# KiCad board raven.kicad_pcb (continued)
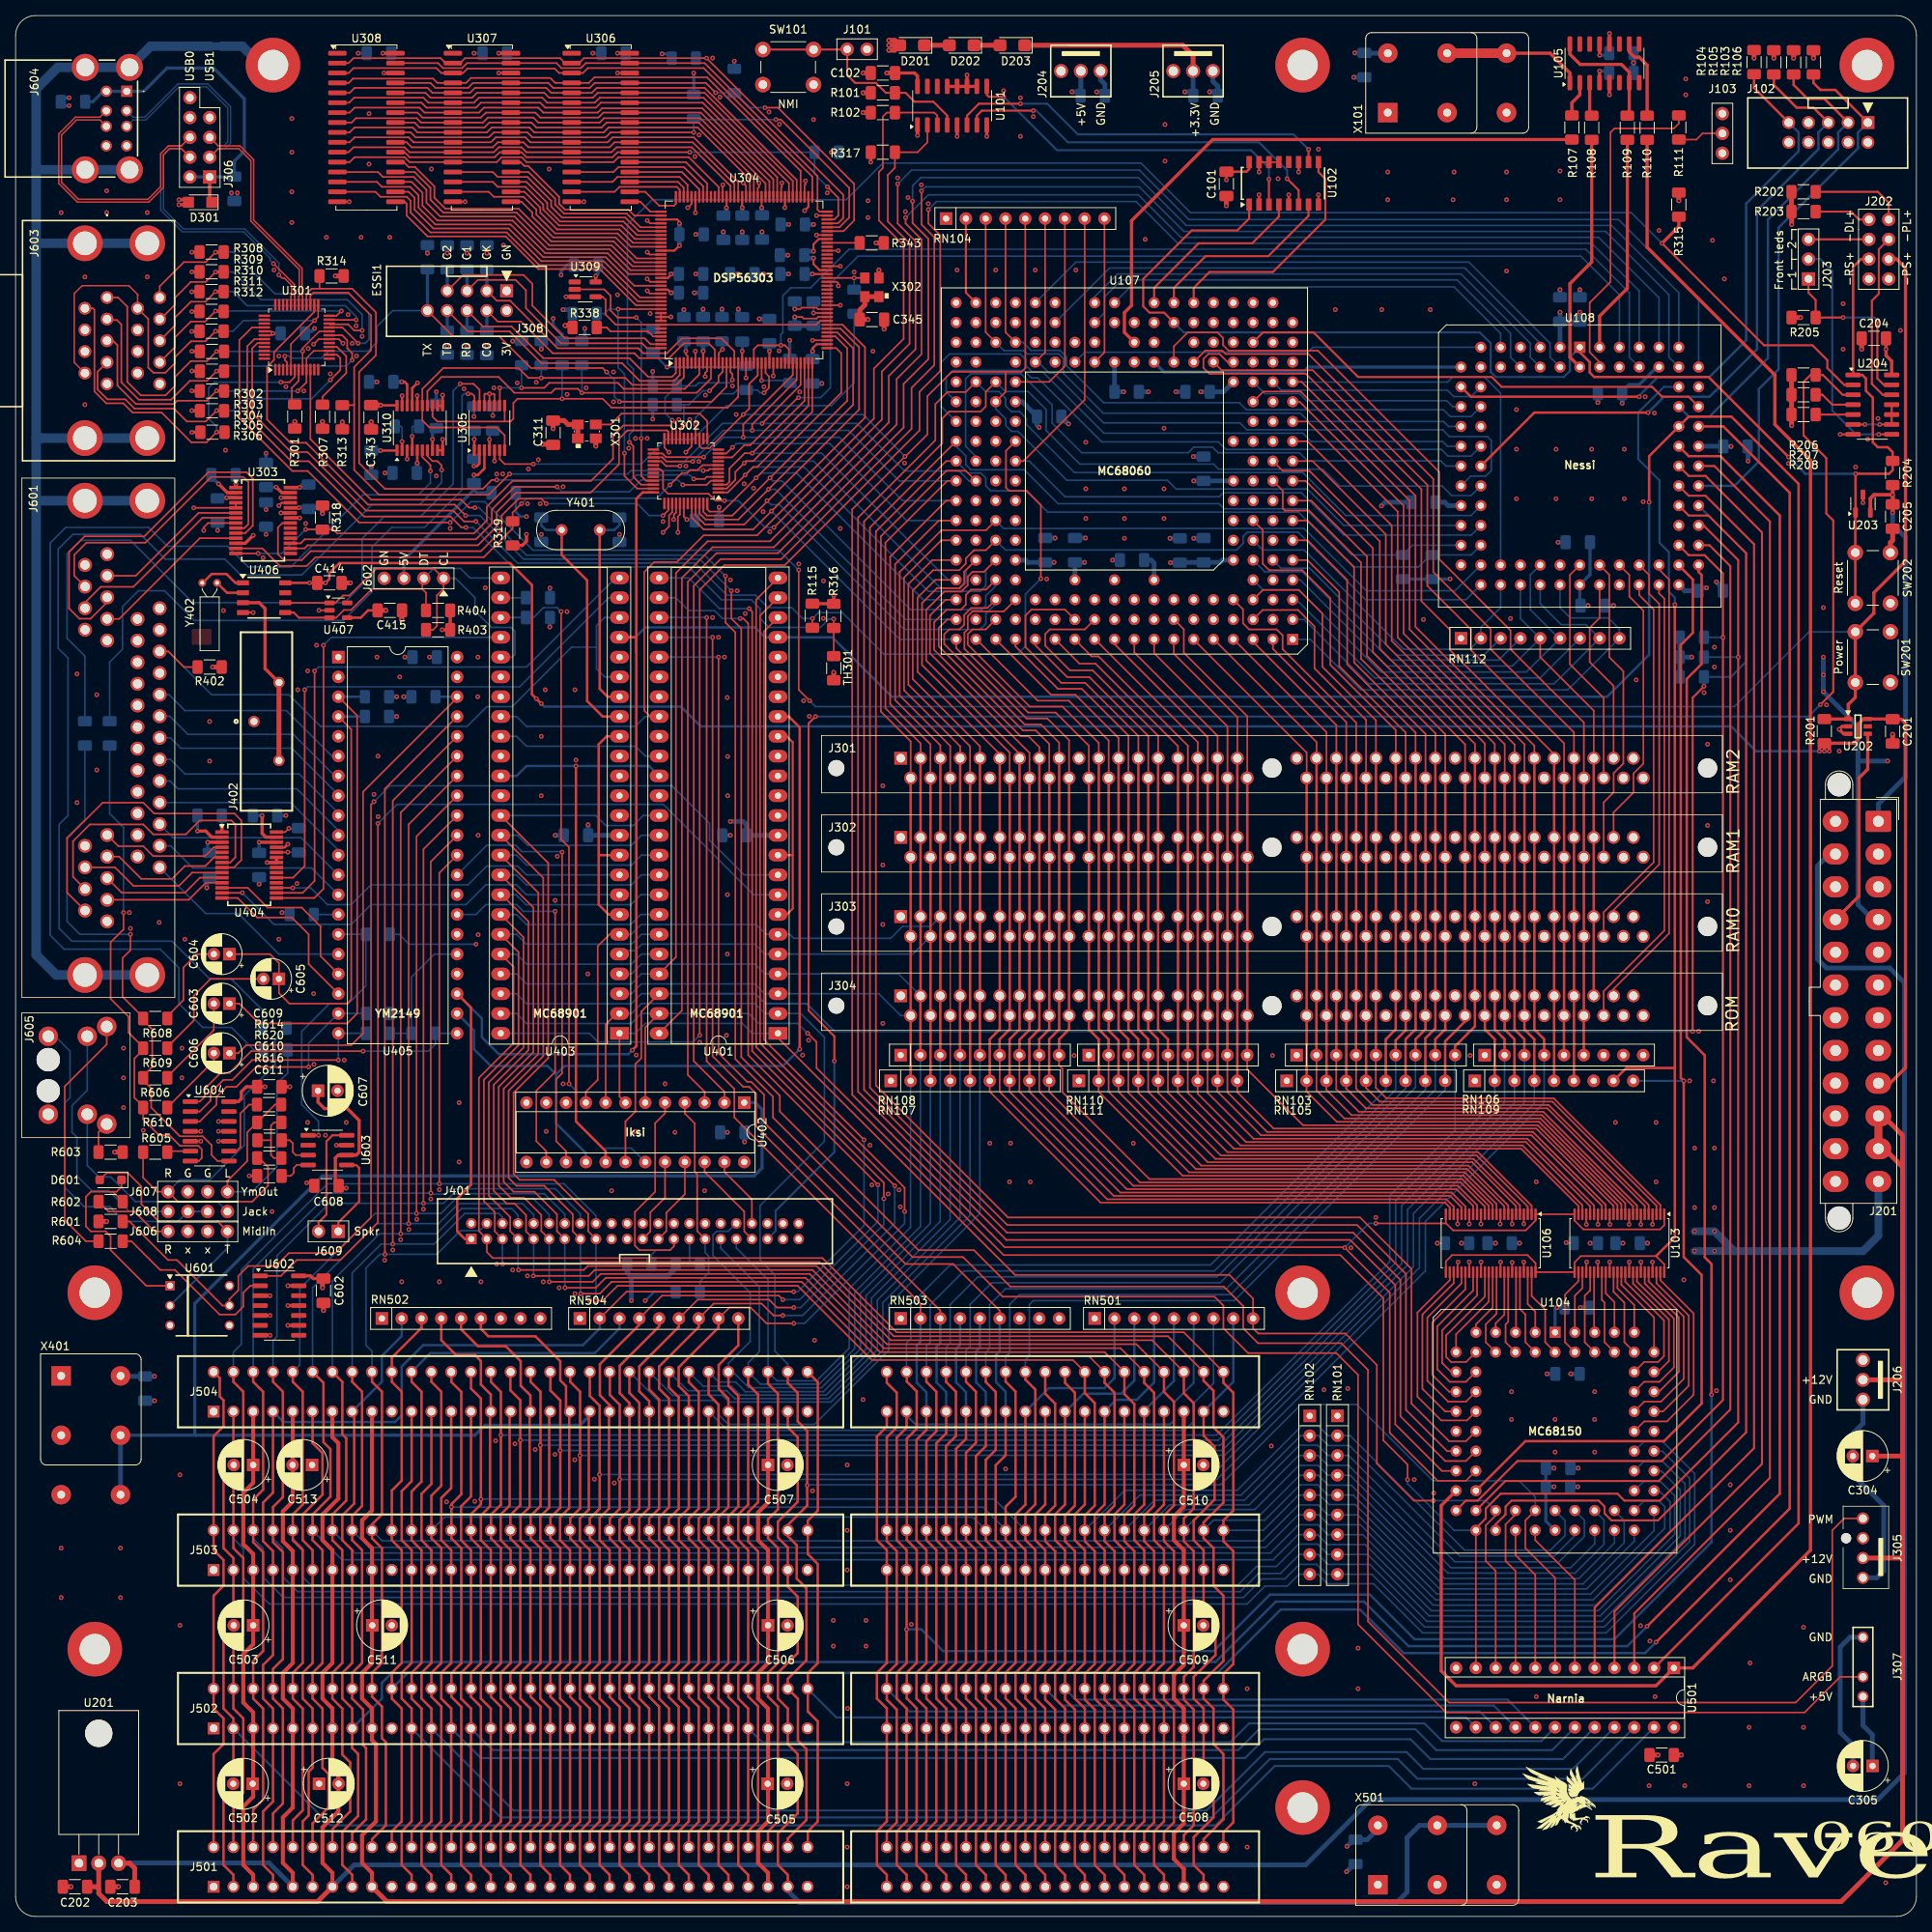
[diagram p0: board, top side]
## Routing (per net, layer and track width the routed paths; a pad name or vN(x,y) marks a point on that pad's centre or on a via; arc(x,y) is an arc through that point) (continued)
+5VL: length 284.3
  Top w0.305: v1(39.75,171.07) 40.26,171.58 40.26,172.34 41.53,173.61 63.42,173.61 66.24,170.79 66.24,156.77 v1(66.8,156.21) v1(67.44,155.58) ; 34.59,171.07 v1(37.72,171.07) C414.2
  Top w0.406: R201.2 235.84,150.5 236.35,151 236.35,152.92 237.04,153.6 U202.6 240.77,153.6 ; R201.2 232.66,149.86 v1(232.66,149.48) ; R201.2 v1(232.03,149.48) ; R201.2 231.39,149.86 v1(231.39,149.48) ; C414.2 v1(39.75,171.07) ; 240.45,106.88 242.44,108.87 242.44,153.04 241.9,153.58 C201.1
  Bottom w0.305: v1(66.8,156.21) 67.82,155.19 85.34,155.19 87.88,152.65 220.09,152.65 223.27,149.48 v1(231.39,149.48)
  Bottom w0.406: v1(37.72,171.07) C414.2 v1(39.75,171.07) ; v1(231.39,149.48) v1(232.03,149.48) v1(232.66,149.48)
+12V: length 380.5
  Top w0.508: J501.9 45.72,5.59 44.45,6.86 44.45,10.41 46.23,12.19 46.23,22.1 45.72,22.61 J502.9 45.72,26.67 44.45,27.94 44.45,31.24 45.72,32.51 J503.9 45.72,47.24 44.45,48.51 44.45,50.8 45.72,52.07 J504.9
  Top w0.61: J501.9 47.62,1.91 234.19,1.91 242.06,9.78 242.06,45.97 ; 242.06,68.83 242.06,96.14 ; 242.06,68.83 242.06,59.18 ; 242.06,68.83 J206.2 ; 242.06,96.14 242.06,100.2 239.59,102.68 ; 242.06,96.14 239.72,98.48 ; 242.06,59.18 241.93,59.06 C304.1 ; 242.06,59.18 242.06,45.97 ; J305.3 242.06,45.97
  Top w1.016: J201.10 J201.11
-5V: length 92.4
  Top w0.508: J504.5 35.56,53.24 34.29,51.97 34.29,48.13 35.56,46.86 J503.5 35.56,32.51 34.29,31.24 34.29,27.94 35.56,26.67 J502.5 35.56,13.97 34.29,12.7 34.29,6.86 35.56,5.59 J501.5
  Top w0.61: U201.3 14.64,6.83 15.28,6.18 C203.1
  Bottom w0.61: 13.24,6.86 32.51,6.86 J501.5
-12V: length 437.7
  Top w0.508: J504.7 40.64,61.47 41.4,60.71 41.4,53.59 39.37,51.56 39.37,48.26 40.64,46.99 J503.7 40.64,32.51 39.37,31.24 39.37,27.94 40.64,26.67 J502.7 40.64,19.81 41.4,19.05 41.4,13.46 39.37,11.43 39.37,6.86 40.64,5.59 J501.7
  Top w0.61: 10.67,3.56 10.67,2.96 11.72,1.91 38.74,1.91 J501.7 ; 10.67,3.56 U201.2 ; 10.67,3.56 10.41,3.81 C202.1
  Bottom w0.61: J501.7 43.43,6.6 165.48,6.6 173.86,14.99 238.89,14.99 242.32,18.42 242.32,119.76 240.41,121.67 232.28,121.67 231.14,122.81 231.14,134.75 232.67,136.28
GND: length 365.7
  Top w0.203: v1(81.03,208.53) 81.37,208.19 U304.130 ; U302.24 83.23,188.42 v1(83.82,187.83) ; v1(24.13,177.8) 24.13,178.18 24.69,178.75 28.25,178.75 ; v1(84.96,177.55) 84.96,179.58 85.22,179.83 85.22,181.25 ; v1(187.99,83.95) 187.98,83.94 U106.34 ; v1(105.54,213.69) U304.62 ; U103.10 206.99,88.78 v1(206.98,88.77) ; v1(93.7,197.36) U304.19 ; 93.7,220.6 93.7,222.02 v1(93.34,222.38) ; U305.10 61.44,195.23 61.34,195.33 v1(60.79,195.33) ; U304.112 81.39,217.19 v1(81.03,217.55) ; 41.28,219.96 v1(42.8,219.96) ; U307.16 v1(57.66,219.96) ; v1(204.5,83.95) 204.49,83.94 U103.34 ; v1(38.91,167.54) 38.93,167.55 U407.2 ; 98.2,220.6 98.2,221.77 98.3,221.87 v1(98.3,222.38) ; U302.40 84.73,180.11 84.46,179.83 84.46,179.24 v1(84.41,179.2) ; U302.17 86.73,188.58 v1(85.98,187.83) ; U106.28 184.98,83.89 v1(185.04,83.95) ; v1(81.03,210.06) 81.4,209.69 U304.127 ; v1(201.55,83.95) 201.49,83.89 U103.28 ; U102.13 U102.14 U102.15 ; 95.2,220.6 95.2,221.69 95.38,221.87 95.38,222.36 v1(95.37,222.37) ; v1(22.86,180.7) U303.5 U303.4 ; v1(105.79,211.69) U304.58 ; v1(209.98,88.77) 209.99,88.78 U103.4 ; 71.34,219.96 v1(72.9,219.96) ; v1(201.5,88.77) 201.49,88.78 U103.21 ; U304.9 88.7,198.24 88.46,197.99 v1(88.46,197.55) ; v1(60.79,195.33) U305.11 ; v1(60.79,195.33) 60.2,195.33 60.14,195.27 U305.12 ; v1(102.74,218.19) U304.71 ; 90.7,220.6 90.7,221.98 90.73,222 v1(90.73,222.12) ; v1(105.54,209.17) 105.54,209.51 105.36,209.69 U304.54 ; v1(207.01,83.95) 206.99,83.93 U103.39 ; v1(38.23,201.68) 38.89,202.33 U301.18 41.46,202.33 v1(41.99,201.8) ; v1(102.23,202.18) 102.24,202.19 U304.39 ; U103.15 204.49,88.8 v1(204.52,88.77) ; U304.47 102.93,206.19 102.74,206.38 100.84,206.38 100.66,206.2 v1(99.95,206.2) ; U203.3 v1(236.98,181.36) ; v1(193.47,83.95) 193.48,83.94 U106.45 ; U103.45 209.99,83.94 v1(209.98,83.95) ; U310.12 U310.11 ; v1(193.48,88.84) U106.4 ; v1(190.45,88.82) 190.48,88.85 U106.10 ; U304.120 81.33,213.19 v1(81.03,213.49) ; v1(101.32,222.63) 101.32,222.19 101.2,222.07 101.2,220.6 ; v1(102.74,215.69) U304.66 ; U106.21 184.98,88.83 v1(184.99,88.82) ; v1(187.98,88.82) U106.15 ; v1(190.5,83.95) 190.48,83.93 U106.39 ; v1(97.2,197.61) U304.26 ; v1(105.79,206.69) U304.48 ; v1(86.23,219.2) 86.7,219.67 86.7,220.6
  Top w0.254: v1(33.78,180.98) 33.9,181.09 33.9,181.1 34.14,181.35 U303.25 ; 235.72,190.12 v1(234.06,190.12) ; U604.5 v1(23.75,99.44) ; U406.4 v1(30.48,167.26) ; C611.2 v1(29.97,95) ; U102.15 v1(159.51,223.77) ; U604.4 v1(23.75,100.71) ; U604.10 v1(26.03,99.44) ; v1(167.13,220.85) U102.8
  Top w0.305: v1(58.8,186.06) 59.18,186.06 59.49,186.36 U305.2 ; v1(49.57,195.08) 49.58,195.07 U310.19 ; U310.9 U310.10 v1(54.78,189.48) ; v1(163.32,220.85) U102.5 ; v1(204.47,233.68) 204.46,233.69 ; v1(54.78,195.16) U310.11 ; v1(34.92,137.54) 34.53,137.15 U404.25 ; U310.3 v1(50.23,186.95) ; v1(61.44,186.69) U305.5 ; U310.16 v1(51.53,195.08)
  Top w0.406: 36.32,75.82 v1(34.92,75.82) ; U602.3 v1(32.64,79.63) ; v1(30.48,177.17) 29.46,176.15 U303.12 ; v1(37.34,94.11) 37.93,94.11 ; U309.3 v1(70.61,207.77) ; U602.7 v1(32.64,74.55) ; U602.11 v1(34.92,78.36) ; C609.2 v1(35.18,106.43) ; U202.2 234.31,152.65 v1(233.93,152.27) 234.5,151.7 U202.3 ; U101.5 v1(120.78,228.35) ; 204.46,233.69 U105.5 ; U105.12 v1(204.46,241.55) ; U101.8 v1(124.59,228.35) ; U602.13 v1(34.92,80.9) ; U602.5 v1(32.64,77.09) ; U603.7 v1(41.15,98.93)
  Top w0.61: v1(49.53,166.32) 49.53,167.5 ; v1(74.43,188.61) 74.43,189.61 ; v1(236.82,201.04) C204.2 ; C343.2 45.59,191.69 v1(45.63,191.73) ; C101.2 v1(155.32,219.46) ; C201.2 v1(240.79,151.64) ; C102.2 v1(108.71,236.47) ; TH301.2 v1(104.95,159.59) ; SW202.2 240.5,176.24 240.79,176.53 C205.2 ; v1(111.42,203.62) C345.2 ; C203.2 v1(13.21,3.81) ; C501.2 v1(210.69,20.7) ; v1(67.56,188.85) 68.88,188.85 ; v1(39.5,77.72) C602.2 ; C414.1 v1(42.95,171.07) ; C202.2 v1(7.11,3.81) ; X302.2 v1(110.74,211.2)
  Bottom w0.203: v1(59.05,124.71) 50.48,124.71 49.21,125.98 R621.2
  Bottom w0.305: v1(80.77,78.99) 81.91,80.14 R407.2 ; v1(67.44,177.29) C401.1 ; C337.1 v1(58.8,192.41) ; C331.1 v1(58.8,186.06) ; v1(65.53,179.58) 64.77,179.58 64.17,180.17 C332.1 ; C330.1 v1(61.21,192.53) ; v1(77.47,177.29) C402.1
  Bottom w0.406: v1(38.35,203.71) 37.97,203.33 37.38,203.33 ; v1(27.69,221.11) 27.69,220.43 ; C327.1 v1(74.04,239.01) ; R333.1 73.03,202.46 v1(73.03,203.71) ; v1(6.86,233.3) 6.31,233.3 C601.2 6.31,232.28 v1(6.86,232.28) ; R331.1 70.1,202.95 68.96,204.09 v1(68.96,204.98) ; v1(90.25,180.77) C303.2 ; v1(28.45,221.11) 28.45,220.43 ; v1(82.93,238.93) 83.62,238.93 R344.2 ; C329.1 v1(43.94,239.01) ; C410.2 v1(34.67,141.22) ; C328.1 v1(58.8,239.01) ; C306.2 v1(32.13,177.29) ; C335.2 70.74,211.84 69.98,211.07 v1(69.98,210.57) ; 34.92,128.78 v1(34.16,128.78) ; C341.2 v1(53.98,195.58) ; v1(81.74,198.2) R336.1
  Bottom w0.457: v1(25.91,177.8) C310.2 ; C308.2 v1(32.13,187.71)
  Bottom w0.61: 235.69,19.3 235.69,22 234.06,23.62 234.06,34.54 235.33,35.81 J307.4 ; v1(222.25,186.69) 222.25,188.51 ; v1(17.82,66.15) C403.1 ; C105.1 v1(199.49,69.6) ; C412.2 24.52,132.94 v1(24.52,131.94) ; R324.1 v1(60.45,201.42) ; v1(153.16,234.06) 153.71,234.06 C207.2 154.22,234.78 153.59,235.41 J205.3 ; v1(103.43,196.65) C317.1 ; v1(99.06,213.11) C321.1 ; v1(63.75,202.08) R332.1 ; v1(90.78,216.1) 90.81,216.08 C319.1 ; J305.4 238.76,43.43 239.65,44.32 239.65,52.71 235.69,56.67 C304.2 235.69,61.95 236.98,63.25 J206.3 ; C120.1 v1(200.66,208.69) ; v1(87.25,210.69) C312.1 ; 199.86,86.44 v1(198.91,86.44) ; v1(99.19,210.69) C314.1 ; 207.56,238.72 v1(207.56,237.79) C112.1 ; v1(171.67,235.93) C110.1 ; v1(99.95,206.2) C326.1 ; C325.1 v1(95.97,210.69) ; C318.1 v1(87.25,215.77) ; C103.2 v1(200.74,78.11) ; C316.1 v1(87.07,208.28) ; v1(91.31,100.58) C404.2 ; C115.1 175.67,181.41 v1(175.21,180.95) ; C346.1 47.38,185.17 v1(47.37,185.17) ; v1(137.25,176.82) C129.1 ; R325.1 v1(57.91,201.42) ; C118.1 v1(198.12,208.69) ; R612.2 v1(48.9,153.92) ; C315.1 92.71,205.65 v1(92.71,206.2) ; C324.1 v1(95.76,216.1) ; C130.1 v1(148.08,176.78) ; v1(138.68,234.06) 139.23,234.06 C206.2 139.74,235.04 139.19,235.59 J204.3 ; R321.1 v1(60.45,213.36) ; C313.1 v1(93.22,216.1) ; C322.1 95.4,204.93 v1(95.4,204.93) ; R329.1 v1(85.72,206.12) ; v1(31.24,132.41) C407.2 ; C119.1 v1(205,168.15) ; v1(133.35,176.82) C125.1 ; C121.1 v1(197.87,176.28) ; v1(151.13,176.78) 152.36,176.78 ; v1(202.97,194.21) C117.1 ; v1(90.62,206.19) R328.1 ; R322.1 v1(57.91,213.36) ; C126.1 v1(145.33,195.58) ; v1(45.63,191.73) C340.2 ; v1(45.63,186.02) C342.2 ; C320.1 v1(102.36,217.04) ; C414.1 v1(42.95,171.07) ; R613.2 v1(48.9,156.46) ; 171.72,6.72 v1(170.74,5.74) ; C104.2 v1(200.41,55.12) ; C127.1 v1(140.72,173.99) ; R326.1 v1(55.37,201.42) ; 205.28,86.36 v1(206.2,86.36) ; 188.94,86.36 v1(189.86,86.36) ; v1(135.06,191.45) 134.15,192.37 ; v1(46.35,196.85) 46.35,196.86 C347.2 ; R323.1 v1(55.37,213.36) ; C408.2 v1(49.94,161.54) ; R330.1 v1(67.44,201.04) ; 183.36,86.36 v1(182.37,86.36) ; v1(88.19,206.2) C323.1 ; v1(151.08,187.28) C128.1 ; R611.2 v1(49.78,156.46) ; C122.1 v1(148.84,195.58) ; C405.1 v1(91.69,138.68) ; v1(218.19,171.2) 219.03,170.36 ; C406.1 v1(69.22,138.68) ; C106.1 v1(200.46,57.51)
  Bottom w1.219: 31.5,237.49 29.08,239.9 NT601.1
  vias: v1(5.84,218.57) v1(5.84,47.24) v1(5.84,40.89) v1(7.87,159.39) v1(7.87,142.88) v1(8.89,210.31) v1(8.89,193.93) v1(10.41,156.72) v1(10.41,147.07) v1(11.68,221.36) v1(11.68,218.57) v1(13.46,47.24) v1(13.46,40.89) v1(13.84,111.38) v1(13.84,107.57) v1(13.84,103.76) v1(14.6,128.78) v1(14.73,126.74) v1(16.38,100.84) v1(16.89,218.57) v1(16.89,210.31) v1(18.41,127.51) v1(21.08,56.64) v1(21.08,37.34) v1(21.08,17.02) v1(21.34,111.38) v1(21.34,107.57) v1(21.72,125.35) v1(24.89,153.29) v1(24.89,148.21) v1(26.67,167.51) v1(26.92,188.09) v1(31.75,174.29) v1(32.89,90.42) v1(33.15,211.2) v1(33.78,200.15) v1(33.78,125.35) v1(34.67,196.24) v1(35.43,230.63) v1(35.43,226.31) v1(35.43,221.23) v1(35.43,217.3) v1(36.09,132.5) v1(36.2,157.35) v1(36.98,195.68) v1(37.21,178.68) v1(37.46,159.77) v1(37.46,101.85) v1(37.54,201.13) v1(38.23,118.36) v1(38.27,109.3) v1(38.61,163.07) v1(39.75,100.2) v1(39.88,215.39) v1(40.38,197.88) v1(42.15,109.84) v1(42.42,101.85) v1(42.66,205.48) v1(43.17,201.79) v1(43.69,204.05) v1(43.73,200.18) v1(44.32,215.39) v1(44.45,202.69) v1(45.34,231.27) v1(45.34,224.79) v1(45.97,143.94) v1(46.35,161.54) v1(46.48,148.84) v1(46.5,141.08) v1(47.35,84.18) v1(48.01,215.39) v1(48.39,85.49) v1(49.28,159) v1(49.4,86.81) v1(49.53,81.41) v1(50.44,88.12) v1(51.46,89.43) v1(52.32,90.72) v1(53.26,92.03) v1(53.34,224.16) v1(53.98,184.79) v1(54.36,93.23) v1(54.36,81.41) v1(55.29,53.18) v1(55.75,178.05) v1(56.9,104.39) v1(56.9,96.77) v1(57.53,195.96) v1(58.91,53.25) v1(59.28,156.46) v1(59.31,161.54) v1(59.33,138.68) v1(59.33,125.93) v1(59.69,81.41) v1(60.25,170.43) v1(61.35,196.09) v1(61.57,61.02) v1(61.72,185.03) v1(61.72,83.69) v1(62.48,185.04) v1(62.59,214.38) v1(63.75,82.93) v1(64.06,60.63) v1(64.34,196.72) v1(65.66,181.21) v1(65.66,82.17) v1(65.79,185.67) v1(66.65,59.89) v1(66.79,196.8) v1(67.06,186.86) v1(67.3,181.21) v1(67.44,151.38) v1(67.44,143.76) v1(67.69,81.41) v1(67.94,157.35) v1(68.07,100.71) v1(68.45,224.16) v1(69.19,59.26) v1(69.22,130.34) v1(69.49,136) v1(69.72,80.65) v1(70.24,183.4) v1(70.24,106.81) v1(70.75,195.25) v1(70.74,167.39) v1(71.75,157.35) v1(71.75,79.88) v1(71.73,58.58) v1(71.88,148.34) v1(73.2,196.09) v1(73.41,120.9) v1(73.66,78.99) v1(74.25,56.08) v1(76.45,93.09) v1(76.71,198.12) v1(76.7,194.29) v1(76.8,55.6) v1(77.22,208.03) v1(78.66,188.34) v1(79.51,189.6) v1(79.5,100.71) v1(79.63,110.49) v1(81.03,189.61) v1(81.41,205.61) v1(83.06,178.94) v1(83.31,106.81) v1(84.58,100.58) v1(85.09,192.02) v1(85.99,186.04) v1(86.49,192.02) v1(87.15,225.76) v1(87.68,228.53) v1(87.64,186.64) v1(87.76,112.14) v1(88.39,93.09) v1(88.49,195.15) v1(89.41,238.39) v1(89.41,166.62) v1(90.17,164.08) v1(90.35,233.39) v1(90.93,161.54) v1(91.19,113.03) v1(91.29,156.36) v1(91.34,148.79) v1(91.34,143.76) v1(91.31,131.06) v1(91.31,123.44) v1(91.69,171.45) v1(91.96,196.33) v1(92.45,192.67) v1(92.57,170.05) v1(93.46,183.78) v1(93.6,167.13) v1(94.67,183.21) v1(95.9,180.2) v1(96,196.23) v1(96.65,231.47) v1(96.75,177.63) v1(97.99,229.9) v1(97.93,200.84) v1(100.47,173.49) v1(100.59,195.57) v1(100.97,110.49) v1(101.08,155.95) v1(101.73,112.4) v1(101.83,153.95) v1(102.23,54.6) v1(102.36,230.51) v1(102.49,73.91) v1(103.63,171.32) v1(103.62,166.51) v1(104.12,221.1) v1(104.9,37.97) v1(104.9,34.67) v1(105.79,178.05) v1(106.68,57.91) v1(106.68,49.53) v1(106.68,44.45) v1(106.68,17.02) v1(106.68,8.89) v1(106.68,3.81) v1(106.72,26.67) v1(107.57,210.94) v1(108.71,66.29) v1(109.09,37.97) v1(109.09,34.67) v1(109.35,220.09) v1(109.35,217.93) v1(109.6,98.93) v1(109.84,93.84) v1(109.98,200.79) v1(111.25,145.03) v1(111.25,134.87) v1(111.25,127.25) v1(111.25,114.55) v1(111.93,92.68) v1(113.15,223.02) v1(113.33,93.19) v1(113.49,91.03) v1(114.05,186.44) v1(114.14,218.69) v1(114.48,220.5) v1(114.9,37.47) v1(116.19,222.13) v1(117.08,219.72) v1(120.78,211.2) v1(124.97,99.19) v1(125.73,211.2) v1(126.75,234.19) v1(127,57.4) v1(127.51,94.23) v1(127.63,99.19) v1(128.91,233.29) v1(128.91,228.35) v1(130.17,94.23) v1(130.56,230.89) v1(130.81,211.2) v1(132.27,171.57) v1(135.79,110.44) v1(136.02,211.2) v1(137.29,189.1) v1(137.29,183.13) v1(137.29,179.32) v1(142.24,183.13) v1(142.24,179.32) v1(142.24,176.78) v1(143.38,99.19) v1(144.91,215.14) v1(147.32,190.91) v1(147.32,183.13) v1(147.32,179.32) v1(147.45,229.87) v1(147.45,225.17) v1(157.99,29.21) v1(157.99,8.89) v1(161.09,60.35) v1(161.24,110.44) v1(161.95,222.91) v1(167.13,226.7) v1(167.84,67.56) v1(169.29,206.12) v1(170.89,67.72) v1(171.3,85.77) v1(172.21,34.42) v1(172.21,29.21) v1(174.5,89.66) v1(175.26,206.12) v1(176.02,223.77) v1(176.02,220.22) v1(179.43,56.03) v1(180.59,166.37) v1(181.48,206.12) v1(181.91,54.31) v1(184.4,220.22) v1(184.53,223.77) v1(186.59,110.44) v1(187.2,17.02) v1(191.26,223.77) v1(191.26,220.22) v1(191.26,211.07) v1(191.77,166.5) v1(191.9,67.31) v1(191.9,63.75) v1(192.53,193.29) v1(192.53,188.21) v1(192.53,181.86) v1(195.07,94.23) v1(195.07,28.19) v1(197.48,63.75) v1(197.48,59.56) v1(197.61,188.21) v1(197.61,181.86) v1(198.12,223.9) v1(198.12,220.22) v1(202.18,188.21) v1(202.18,181.86) v1(202.56,67.31) v1(202.56,63.75) v1(202.56,59.56) v1(205.23,101.85) v1(206.38,188.21) v1(206.38,181.86) v1(207.9,158.62) v1(208.45,37.29) v1(208.79,181.48) v1(209.04,194.95) v1(209.55,16.76) v1(209.65,35.33) v1(210.23,192.86) v1(210.31,28.19) v1(210.44,101.85) v1(210.44,94.23) v1(210.82,216.28) v1(214,81.66) v1(214.12,16.76) v1(214.25,235.71) v1(214.25,233.68) v1(214.75,107.19) v1(215.39,98.55) v1(215.39,90.93) v1(215.9,113.54) v1(216.61,156.99) v1(217.04,150.37) v1(217.04,139.95) v1(217.04,130.18) v1(217.68,215.01) v1(217.8,107.19) v1(217.93,162.81) v1(217.93,160.27) v1(217.93,98.55) v1(217.93,90.93) v1(218.19,67.44) v1(219.2,210.06) v1(219.96,55.37) v1(219.96,49.53) v1(219.96,43.18) v1(222.38,24.26) v1(222.38,16.76) v1(222.5,32.51) v1(227.41,186.39) v1(229.36,37.08) v1(229.36,24.26) v1(229.36,16.76) v1(231.9,167.89) v1(232.31,155.41) v1(233.93,149.48) v1(234.44,206.88) v1(234.44,201.04) v1(236.04,185.93) v1(237.6,189.49) v1(238.91,192.16) v1(239.9,4.32) v1(241.79,203.45)
68150:CLK: length 268.9
  Top w0.406: 209.3,227.9 209.3,214.12 225.68,197.74 225.68,191.39 230.25,186.82 230.25,46.99 215.14,31.88 U501.1 210.44,29.59 184.78,29.59 182.88,31.5 182.88,52.71 U104.24
68150:LR~{W}: length 18.7
  Top w0.203: U501.8 194.94,43.82 192.41,46.36 U104.31
68150:R~{W}: length 178.7
  Top w0.203: 97.79,112.71 128.21,82.3 155.7,82.3 158.75,79.25 RN501.9 158.75,75.44 159.41,74.78 170.59,74.78 174.62,70.74 174.62,58.09 179.37,53.34 v1(181.86,53.34) ; U104.30 189.86,51.44 188.59,50.17 188.59,45.59 189.86,44.32 U501.10 ; U402.7 77.47,105.16 U403.1
  Bottom w0.203: U104.30 188.59,53.34 v1(181.86,53.34) ; U403.1 79.5,113.28 80.77,114.55 93.22,114.55 94.49,113.28 U401.1
68150:UR~{W}: length 20.7
  Top w0.203: 192.41,51.56 191.13,50.29 191.13,45.59 192.41,44.32 U501.9
68150:~{BUSCS}: length 160.6
  Top w0.203: U106.25 183.48,84.04 184.28,84.84 193.95,84.84 194.98,83.81 U106.48 U103.25 199.99,83.91 200.79,84.71 210.44,84.71 211.49,83.66 U103.48
  Top w0.305: 210.44,84.71 212.85,87.12 212.85,108.84 ; RN109.8 206.63,108.84 212.85,108.84 ; 212.85,108.84 v1(212.85,168.28)
  Bottom w0.254: U108.73 211.45,196.22 208.15,192.91 208.15,186.94 210.88,184.21 210.88,176.21 212.09,175.01 212.09,169.93 212.85,169.16 v1(212.85,168.28)
68150:~{CS}: length 150.1
  Top w0.305: 213.36,173.3 215.16,171.5 215.16,164.67 213.61,163.12 213.61,107.57 v1(214,107.19) 214,84.58 216.28,82.3 216.28,65.79 211.45,60.96 193.67,60.96 U104.25
  Bottom w0.254: RN109.9 v1(214,107.19)
68150:~{DSACK0}: length 151.4
  Top w0.254: U104.28 191.11,55.85 210.79,55.85 219.96,65.02 219.96,173.23 217.3,175.9 215.9,175.9
68150:~{DSACK1}: length 164.9
  Top w0.254: U104.29 189.86,50.29 191.13,51.56 191.13,52.58 191.9,53.34 203.07,53.34 203.83,52.58 203.83,51.69 204.72,50.8 210.69,50.8 222,62.1 222,174.88 217.17,179.71 214.63,179.71 U108.61
68150:~{DS}: length 360.2
  Top w0.203: U402.6 80.77,114.04 U401.47 ; U104.27 U501.11 ; v1(101.6,113.28) 101.62,113.28 102.74,112.16 102.74,108.84 126.75,84.84 169.93,84.84 175.46,79.3 175.46,61.06 178.56,57.96 v1(178.56,56.03)
  Top w0.254: U108.58 216.53,178.44 220.98,173.99 220.98,63.37 210.95,53.34 206.38,53.34 205.49,54.23 190.5,54.23 188.59,52.32 188.59,51.05 187.32,49.78
  Bottom w0.203: v1(220.98,161.54) R113.2 ; v1(101.6,113.28) 100.33,114.55 95.32,114.55 94.05,115.82 U401.47 80.27,115.82 78.99,114.54 65.54,114.54 64.26,115.82 U403.47 ; U104.27 184.53,49.53 178.56,55.5 v1(178.56,56.03)
68150:~{TA}: length 155.7
  Top w0.254: 213.36,175.9 214.63,174.63 216.66,174.63 219.02,172.26 219.02,66.24 211.2,58.42 192.66,58.42 187.58,53.34 186.05,53.34 U104.26
  Bottom w0.203: v1(219.02,164.08) R112.2
/ICLK_X1_2: length 15.2
  Top w0.406: 207,231.25 U105.7 207,236.57 205.99,237.58 200.7,237.58 199.38,238.89 U105.16
/ICLK_X1_3: length 10.5
  Top w0.406: U105.10 207,239.18 207.67,238.51 208.28,238.51 209.3,237.49 R110.2
/ICLK_X2_2: length 4
  Top w0.406: U105.3 201.92,231.26
/ISA/ISA:AEN: length 94.2
  Top w0.305: J501.42 50.8,10.92 52.07,12.19 52.07,26.67 50.8,27.94 J502.42 50.8,31.24 52.07,32.51 52.07,46.99 50.8,48.26 50.8,54.51 52.07,55.78 52.07,67.31 50.8,68.58 J504.42
  Bottom w0.305: 77.47,76.53 77.47,75.44 74.29,72.26 53.21,72.26 J504.42
/ISA/ISA:DACK0: length 85
  Top w0.305: J504.70 129.54,52.83 128.27,51.56 128.27,48.26 129.54,46.99 J503.70 129.54,32.51 128.27,31.24 128.27,27.94 129.54,26.67 J502.70 129.54,12.19 128.27,10.92 128.27,6.6 129.54,5.33 J501.70
  Bottom w0.305: J504.70 132.54,67.77 139.67,67.77 140.97,69.06 RN501.2
/ISA/ISA:DACK1: length 81.7
  Top w0.305: J504.17 66.04,66.83 64.8,68.07 64.8,71.22 62.87,73.15 59.31,73.15 57.15,75.31 RN502.5 ; 65.94,64.67 65.94,52.53 64.77,51.36 64.77,48.26 66.04,46.99 J503.17 66.04,32.51 64.77,31.24 64.77,27.94 66.04,26.67 J502.17 66.04,12.19 64.77,10.92 64.77,6.6 66.04,5.33 J501.17
/ISA/ISA:DACK2: length 142.1
  Top w0.305: J501.26 88.9,5.33 87.63,6.6 87.63,10.92 88.9,12.19 J502.26 88.9,26.67 87.63,27.94 87.63,31.24 88.9,32.51 J503.26 88.9,46.99 87.63,48.26 87.63,51.05 88.9,52.32 J504.26
  Bottom w0.203: J504.26 91.31,62.36 149.99,62.36 151.13,63.5 151.13,65.85 153.67,68.39 RN501.7
/ISA/ISA:DACK3: length 80
  Top w0.305: J504.15 60.96,66.95 59.69,68.22 59.69,71.25 58.93,72.01 56.51,72.01 54.61,73.91 RN502.4 ; J501.15 60.96,5.33 59.69,6.6 59.69,10.92 60.96,12.19 J502.15 60.96,26.67 59.69,27.94 59.69,31.24 60.96,32.51 J503.15 60.96,46.99 59.69,48.26 59.69,51.44 60.86,52.6 60.86,64.67
/ISA/ISA:DACK5: length 82.5
  Top w0.305: J504.72 134.62,52.83 133.35,51.56 133.35,48.26 134.62,46.99 J503.72 134.62,32.51 133.35,31.24 133.35,27.94 134.62,26.67 J502.72 134.62,12.19 133.35,10.92 133.35,6.6 134.62,5.33 J501.72
  Bottom w0.305: 134.7,64.77 136.98,67.06 141.83,67.06 143.51,68.73 RN501.3
/ISA/ISA:DACK6: length 80.2
  Top w0.305: J504.74 139.7,52.83 138.43,51.56 138.43,48.26 139.7,46.99 J503.74 139.7,32.51 138.43,31.24 138.43,27.94 139.7,26.67 J502.74 139.7,12.19 138.43,10.92 138.43,6.6 139.7,5.33 J501.74
  Bottom w0.305: RN501.4 146.05,68.5 143.81,66.27 141.17,66.27 139.7,64.8
/ISA/ISA:DACK7: length 77.5
  Top w0.305: J501.76 144.78,5.33 143.51,6.6 143.51,10.92 144.78,12.19 J502.76 144.78,26.67 143.51,27.94 143.51,31.24 144.78,32.51 J503.76 144.78,46.99 143.51,48.26 143.51,51.56 144.78,52.83 J504.76
  Bottom w0.305: RN501.5 148.59,68.68 144.78,64.87
/ISA/ISA:DRQ0: length 64.1
  Top w0.305: J501.71 132.08,5.33 130.81,6.6 130.81,10.92 132.08,12.19 J502.71 132.08,26.67 130.81,27.94 130.81,31.24 132.08,32.51 J503.71 132.08,46.99 130.81,48.26 130.81,51.56 132.08,52.83 J504.71
/ISA/ISA:DRQ1: length 63.9
  Top w0.305: J501.18 68.58,5.33 67.31,6.6 67.31,10.92 68.58,12.19 J502.18 68.58,26.67 67.31,27.94 67.31,31.24 68.58,32.51 J503.18 68.58,46.99 67.31,48.26 67.31,51.31 68.45,52.45 68.45,64.64
/ISA/ISA:DRQ2: length 65.2
  Top w0.305: J501.6 38.1,5.33 36.83,6.6 36.83,12.19 37.59,12.95 37.59,18.54 38.1,19.05 J502.6 38.1,26.67 36.83,27.94 36.83,31.24 38.1,32.51 J503.6 38.1,46.99 36.83,48.26 36.83,51.56 39.37,54.1 39.37,59.44 38.1,60.71 J504.6
/ISA/ISA:DRQ3: length 63.9
  Top w0.305: 63.37,64.64 63.37,52.71 62.23,51.56 62.23,48.26 63.5,46.99 J503.16 63.5,32.51 62.23,31.24 62.23,27.94 63.5,26.67 J502.16 63.5,12.19 62.23,10.92 62.23,6.6 63.5,5.33 J501.16
/ISA/ISA:DRQ5: length 64.1
  Top w0.305: J504.73 137.16,52.83 135.89,51.56 135.89,48.26 137.16,46.99 J503.73 137.16,32.51 135.89,31.24 135.89,27.94 137.16,26.67 J502.73 137.16,12.19 135.89,10.92 135.89,6.6 137.16,5.33 J501.73
/ISA/ISA:DRQ6: length 64.1
  Top w0.305: J504.75 142.24,52.83 140.97,51.56 140.97,48.26 142.24,46.99 J503.75 142.24,32.51 140.97,31.24 140.97,27.94 142.24,26.67 J502.75 142.24,12.19 140.97,10.92 140.97,6.6 142.24,5.33 J501.75
/ISA/ISA:DRQ7: length 64.1
  Top w0.305: J504.77 147.32,52.83 146.05,51.56 146.05,48.26 147.32,46.99 J503.77 147.32,32.51 146.05,31.24 146.05,27.94 147.32,26.67 J502.77 147.32,12.19 146.05,10.92 146.05,6.6 147.32,5.33 J501.77
/ISA/ISA:IOCHK: length 64.1
  Top w0.305: J504.32 26.19,69.06 26.19,66.7 26.67,66.22 26.67,62.87 25.4,61.6 25.4,46.99 26.67,45.72 26.67,42.42 25.4,41.15 J502.32 25.4,26.67 26.67,25.4 26.67,22.1 25.4,20.83 J501.32
/ISA/ISA:IRQ6: length 78.7
  Top w0.305: J501.22 78.74,5.33 77.47,6.6 77.47,10.92 78.74,12.19 J502.22 78.74,26.67 77.47,27.94 77.47,31.24 78.74,32.51 J503.22 78.74,46.99 77.47,48.26 77.47,50.88 78.74,52.15 J504.22 78.74,65.86 77.5,67.11 77.5,70.64 82.55,75.69 RN504.5
/ISA/ISA:IRQ12: length 76.8
  Top w0.305: J501.67 121.92,5.33 120.65,6.6 120.65,10.92 121.92,12.19 J502.67 121.92,26.67 120.65,27.94 120.65,31.24 121.92,32.51 J503.67 121.92,46.99 120.65,48.26 120.65,59.99 121.92,61.26 J504.67
  Bottom w0.305: J504.67 121.92,67.25 120.65,68.52 120.65,72.8 121.16,73.3 RN503.4
/ISA/ISA:IRQ13: length 76.8
  Top w0.305: J504.68 124.46,60.33 123.19,59.06 123.19,48.26 124.46,46.99 J503.68 124.46,32.51 123.19,31.24 123.19,27.94 124.46,26.67 J502.68 124.46,12.19 123.19,10.92 123.19,6.6 124.46,5.33 J501.68
  Bottom w0.305: RN503.5 123.7,72.97 123.22,72.49 123.22,68.5 124.46,67.26 J504.68
/ISA/ISA:MASTER: length 81.1
  Top w0.305: J504.79 152.4,61.67 153.8,60.27 153.8,53.47 151.13,50.8 151.13,48.26 152.4,46.99 J503.79 152.4,40.13 153.92,38.61 153.92,33.53 151.13,30.73 151.13,27.94 152.4,26.67 J502.79 152.4,19.81 153.67,18.54 153.67,12.7 151.13,10.16 151.13,6.6 152.4,5.33 J501.79
  Bottom w0.305: J504.79 156.21,68.58 RN501.8
/ISA/ISA:MEMCS16: length 64.1
  Top w0.305: J501.63 111.76,5.33 110.49,6.6 110.49,10.92 111.76,12.19 J502.63 111.76,26.67 110.49,27.94 110.49,31.24 111.76,32.51 J503.63 111.76,46.99 110.49,48.26 110.49,61.57 111.76,62.84 J504.63
/ISA/ISA:OSC: length 167.5
  Top w0.305: J504.30 99.06,62.74 100.33,61.47 100.33,53.19 97.79,50.65 97.79,48.59 99.06,47.32 J503.30 99.06,42.29 100.33,41.02 100.33,33.78 97.79,31.24 97.79,27.94 99.06,26.67 J502.30 99.06,22.1 100.33,20.83 100.33,13.21 97.79,10.67 97.79,6.6 99.06,5.33 J501.30
  Bottom w0.61: X501.5 X501.5 180.09,11.68 178.5,10.1 178.5,3.11 177.16,1.78 100.56,1.78 99.06,3.28 99.06,3.78
/ISA/ISA:REFRESH: length 84.2
  Top w0.305: J504.19 70.61,65.28 70.61,68.02 69.88,68.76 69.88,71.22 66.68,74.42 60.64,74.42 59.69,75.37 RN502.6 ; J501.19 71.12,5.33 69.85,6.6 69.85,10.92 71.12,12.19 J502.19 71.12,26.67 69.85,27.94 69.85,31.24 71.12,32.51 J503.19 71.12,46.99 69.85,48.26 69.85,51.21 71.02,52.37 71.02,64.67
/ISA/ISA:TC: length 77.6
  Top w0.305: RN504.9 92.71,73.25 90.2,70.74 90.2,67.67 91.44,66.42 J504.27 91.44,52.5 90.17,51.23 90.17,48.26 91.44,46.99 J503.27 91.44,32.51 90.17,31.24 90.17,27.94 91.44,26.67 J502.27 91.44,12.19 90.17,10.92 90.17,6.6 91.44,5.33 J501.27
/Local16/IDE:IRQ: length 26
  Top w0.203: 88.45,86.9 87.43,87.92 87.43,95.19 87.12,95.5 87.12,101.73 85.85,103 U402.4